# Altium PCB EEar02.PcbDoc (part 1 of 2)
Units mm, origin at the board's own origin, x right, y up, seen from the top; angles counter-clockwise.
Board outline 140 x 100 mm, 2 copper layers (Top Layer, Bottom Layer); 125 components, 89 nets, 570 pads, 1041 vias.
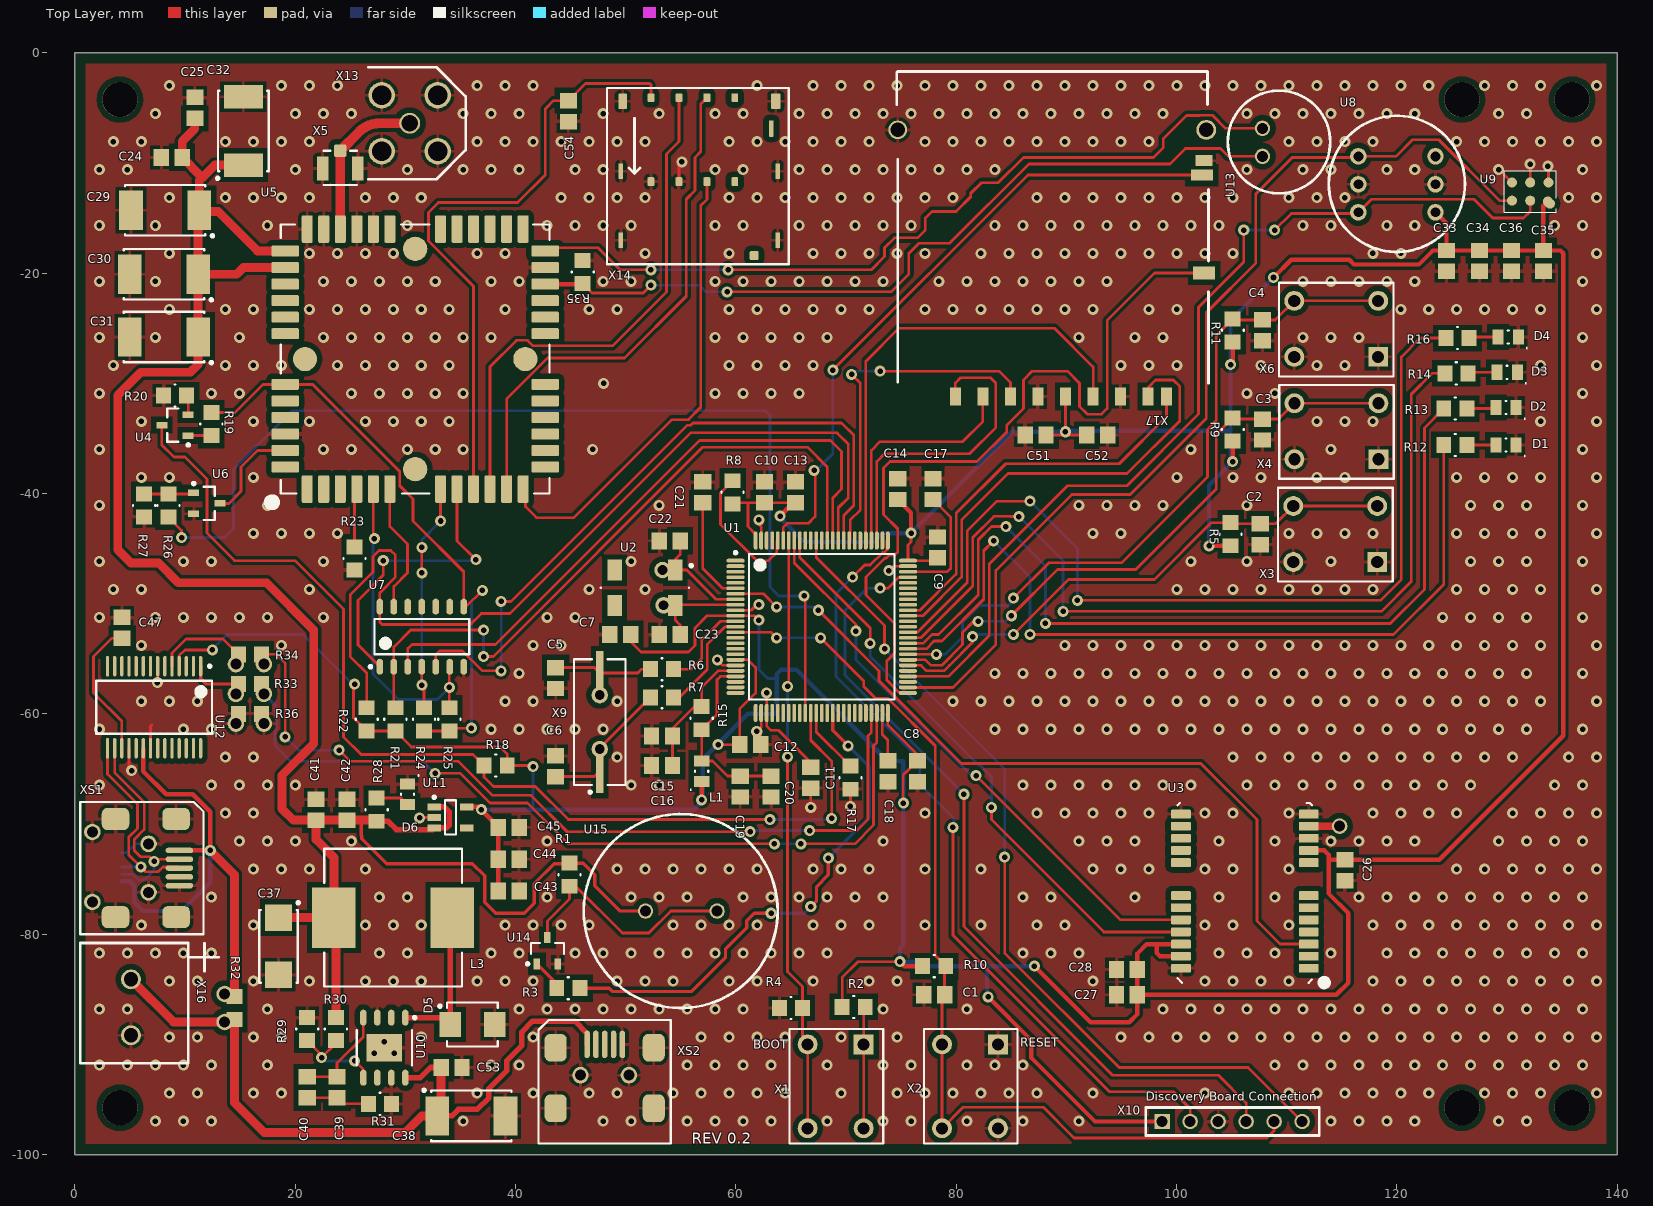
[diagram p0: Top Layer view]
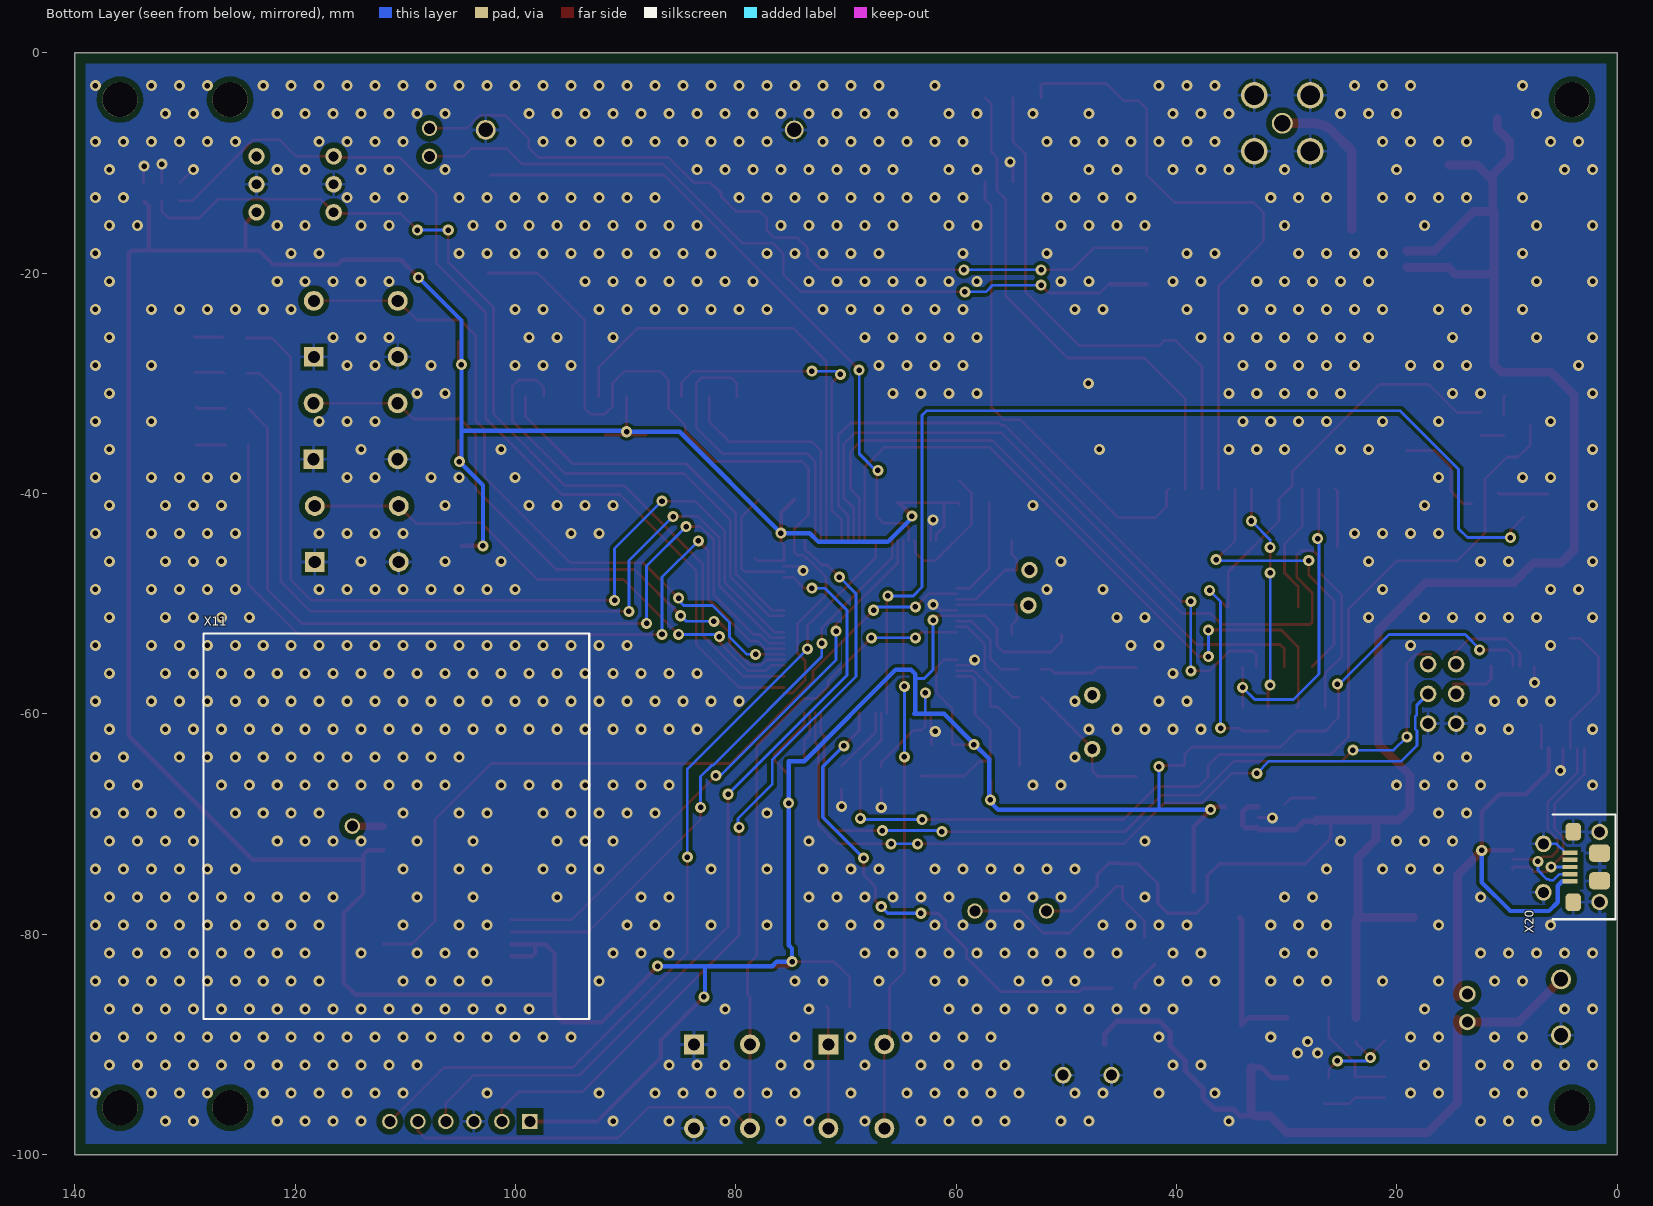
[diagram p1: Bottom Layer view, seen from below]

## Layer stack, top to bottom
Top Solder: solder mask 0.0102, Solder Resist, Dk 3.5
Top Layer: signal copper 0.0356
Dielectric 1: dielectric 0.32, FR-4, Dk 4.8
Bottom Layer: signal copper 0.0356
Bottom Solder: solder mask 0.0102, Solder Resist, Dk 3.5

## Board outline
140,-100 140,0 0,0 0,-100

## Design rules (kind name [scope] priority, off if disabled: settings)
Clearance [All] p1: gap=0.125 except(0.2: Arc-Fill Via-Fill; 0.25: Track-Track; 0.3: Arc-Track Arc-THPad Arc-Poly Track-THPad Track-Via Track-Fill Track-Poly SMDPad-THPad SMDPad-Via SMDPad-Fill THPad-THPad THPad-Via THPad-Fill Via-Via Via-Poly Fill-Fill Fill-Poly Poly-Poly; 0.5: SMDPad-Poly THPad-Poly)
DiffPairsRouting [All] p1: maxlimit=10 minlimit=0.125 mostfreqgap=0.15 toplayer_minwidth=0.381 toplayer_maxwidth=0.381 toplayer_prefwidth=0.381 bottomlayer_minwidth=0.381 bottomlayer_maxwidth=0.381 bottomlayer_prefwidth=0.381 maxuncoupledlength=12.7
FabricationTestPointUsage FabricationTestPointUsage_1 [All] p1: valid=0 allowmultiple=FALSE
FabricationTestpoint FabricationTestpoint_1 [All] p1: side=3 testpointundercomponent=TRUE minsize=1.016 maxsize=2.54 preferedsize=1.524 minholesize=0 maxholesize=1.016 preferedholesize=0.813 testpointgrid=0.025 allowsidetop=TRUE allowsidebottom=TRUE usegrid=TRUE gridtolerance=0
Height [All] p1: minheight=0 maxheight=45 prefheight=12.7
HoleSize [All] p1: absolutevalues=TRUE maxlimit=6 minlimit=0.2 maxpercent=80.000 minpercent=20.000
HoleSize FabricationTestpoint [All] p2 off: absolutevalues=TRUE maxlimit=2.54 minlimit=0.025 maxpercent=80.000 minpercent=20.000
HoleSize FabricationTestPointUsage [All] p3 off: absolutevalues=TRUE maxlimit=2.54 minlimit=0.025 maxpercent=80.000 minpercent=20.000
MinimumAnnularRing [All] p1: minimumring=0.2
MinimumSolderMaskSliver [All] p1: minsoldermaskwidth=0.1
PlaneClearance [All] p1: clearance=0.5
PlaneConnect [All] p1: planeconnectstyle=Relief reliefexpansion=0.4 reliefentries=4 reliefconductorwidth=0.15 reliefairgap=0.15
PolygonConnect PolygonConnect_1 [IsVia] p1: connectstyle=Direct reliefconductorwidth=0.3 reliefentries=4 polygonreliefangle="90 Angle" airgapwidth=0.3
PolygonConnect [All] p2: connectstyle=Relief reliefconductorwidth=0.3 reliefentries=4 polygonreliefangle="90 Angle" airgapwidth=0.3
RoomDefinition sd [InComponentClass('sd')] p1: confinementstyle=ConfineIn formatcopy=TRUE lockcomponents=FALSE outline -140,-163 -89.2,-163 -89.2,-137.6 -140,-137.6
RoomDefinition pwr [InComponentClass('pwr')] p2: confinementstyle=ConfineIn formatcopy=TRUE lockcomponents=FALSE outline -140,-163 -89.2,-163 -89.2,-137.6 -140,-137.6
RoomDefinition mic [InComponentClass('mic')] p3: confinementstyle=ConfineIn formatcopy=TRUE lockcomponents=FALSE outline -140,-163 -89.2,-163 -89.2,-137.6 -140,-137.6
RoomDefinition gsm [InComponentClass('gsm')] p4: confinementstyle=ConfineIn formatcopy=TRUE lockcomponents=FALSE outline -140,-163 -89.2,-163 -89.2,-137.6 -140,-137.6
RoomDefinition gps [InComponentClass('gps')] p5: confinementstyle=ConfineIn formatcopy=TRUE lockcomponents=FALSE outline -140,-163 -89.2,-163 -89.2,-137.6 -140,-137.6
RoomDefinition cpu [InComponentClass('cpu')] p6: confinementstyle=ConfineIn formatcopy=TRUE lockcomponents=FALSE outline -140,-163 -89.2,-163 -89.2,-137.6 -140,-137.6
RoutingCorners [All] p1: cornerstyle=45-Degree minsetback=1.25 maxsetback=1.25
RoutingVias [All] p1: holewidth=0.5 width=1 viastyle="Through Hole" minholewidth=0.5 minwidth=1 maxholewidth=0.5 maxwidth=1
SilkToSilkClearance [All] p1: silktosilkclearance=0
SilkToSolderMaskClearance [IsPad] p1: minsilkscreentomaskgap=0.2 clearancetoexposedcopper=TRUE
SolderMaskExpansion [All] p1: expansion=0.075
Width [All] p1: maxlimit=10 minlimit=0.25 preferedwidth=0.25
19 further rules are at their usual default settings.

## Classes and differential pairs
component class cpu: C1 C2 C3 C4 C5 C6 C7 C8 C9 C10 C11 C12 C13 C14 C15 C16 C17 C18 C19 C20 C21 C22 C23 D1 D2 D3 D4 L1 R1 R2 R3 R4 R5 R6 R7 R8 R9 R10 R11 R12 R13 R14 R15 R16 R17 U1 U2 U14 U15 X1 X2 X3 X4 X6 X9 X10
component class gps: C26 C27 C28 U3 X11
component class gsm: C24 C25 C29 C30 C31 C32 C54 R18 R19 R20 R21 R22 R23 R24 R25 R26 R27 R35 U4 U5 U6 U7 U13 X5 X13 X14
component class mic: C33 C34 C35 C36 U8 U9
component class pwr: C37 C38 C39 C40 C41 C42 C43 C44 C45 C47 C53 D5 D6 L3 R28 R29 R30 R31 R32 R33 R34 R36 U10 U11 U12 X16 X20 XS1 XS2
component class sd: C51 C52 X17
net class SD_DAT[3..0]: SD_DAT0 SD_DAT1 SD_DAT2 SD_DAT3

## Components (designator, comment, footprint, x,y, rotation, side; value= is the part's Value field where it differs from the comment)
C1 "0.1uF" CAPC2012X09M 78,-85.5 r180 top
C2 "0.1uF" CAPC2012X09M 107.6,-43.7 r270 top
C3 "0.1uF" CAPC2012X09M 107.8,-34.2 r270 top
C4 "0.1uF" CAPC2012X09M 107.8,-25.2 r270 top
C5 "18pF" CAPC2012X09M 43.65,-56.75 r270 top
C6 "18pF" CAPC2012X09M 43.65,-64.75 r90 top
C7 "0.1uF" CAPC2012X09M 49.5,-52.8 r180 top
C8 "0.1uF" CAPC2012X09M 76.5,-65.2 r270 top
C9 "0.1uF" CAPC2012X09M 78.3,-44.9 r90 top
C10 "0.1uF" CAPC2012X09M 62.6,-39.9 r90 top
C11 "0.1uF" CAPC2012X09M 66.8,-65.8 r270 top
C12 "0.1uF" CAPC2012X09M 61.3,-62.8 r0 top
C13 "0.1uF" CAPC2012X09M 65.4,-39.9 r90 top
C14 "0.1uF" CAPC2012X09M 74.7,-39.6 r90 top
C15 "1uF" CAPC2012X09M 53.3,-64.7 r180 top
C16 "0.1uF" CAPC2012X09M 53.3,-62 r180 top
C17 "2.2uF" CAPC2012X09M 77.9,-39.6 r90 top
C18 "2.2uF" CAPC2012X09M 73.8,-65.2 r270 top
C19 "1uF" CAPC2012X09M 60.4,-66.6 r90 top
C20 "0.1uF" CAPC2012X09M 63.2,-66.6 r90 top
C21 "1uF" CAPC2012X09M 57,-39.9 r90 top
C22 "6.8PF" CAPC2012X09M 54,-44.3 r180 top
C23 "6.8PF" CAPC2012X09M 54,-52.8 r180 top
C24 "0.1uF" CAPC2012X09M 8.8,-9.5 r180 top
C25 "0.1uF" CAPC2012X09M 10.9,-5 r90 top
C26 "0.1uF" CAPC2012X09M 115.3,-74.2 r270 top
C27 "0.1uF" CAPC2012X09M 95.5,-85.5 r180 top
C28 "10uF" CAPC2012X09M 95.5,-83.2 r180 top
C29 "330UF 6.3V" CAPMP7143X31N 8.2,-14.3 r180 top
C30 "330UF 6.3V" CAPMP7143X31N 8.1,-20.1 r180 top
C31 "330UF 6.3V" CAPMP7143X31N 8.1,-25.8 r180 top
C32 "330UF 6.3V" CAPMP7143X31N 15.3,-7.1 r90 top
C33 "0.1uF" CAPC2012X09M 124.5,-18.9 r270 top
C34 "0.1uF" CAPC2012X09M 127.5,-18.9 r270 top
C35 "10uF" CAPC2012X09M 133.3,-18.9 r270 top
C36 "10uF" CAPC2012X09M 130.4,-18.9 r270 top
C37 "100UF 6.3V" CAPMP6133X31N 18.5,-81.1 r270 top
C38 "22uF" CAPMP7143X31N 36,-96.5 r0 top
C39 "22nF" CAPC2012X09M 23.8,-93.9 r270 top
C40 "220pF" CAPC2012X09M 21.1,-93.9 r270 top
C41 "10uF" CAPC2012X09M 21.9,-68.7 r90 top
C42 "10uF" CAPC2012X09M 24.7,-68.7 r90 top
C43 "10uF" CAPC2012X09M 39.4,-76.1 r0 top
C44 "0.1uF" CAPC2012X09M 39.4,-73.2 r0 top
C45 "1uF" CAPC2012X09M 39.4,-70.3 r0 top
C47 "1uF" CAPC2012X09M 4.3,-52.2 r90 top
C51 "0.1uF" CAPC2012X09M 87.2,-34.7 r180 top
C52 "0.1uF" CAPC2012X09M 92.8,-34.7 r0 top
C53 "0.1uF" CAPC2012X09M 34.2,-92.1 r0 top
C54 "0.1uF" CAPC2012X09M 44.8,-5.3 r270 top
D1 "GREEN" DIOC2012X11N 129.9,-35.6 r180 top
D2 "YELLOW" DIOC2012X11N 129.9,-32.2 r180 top
D3 "BLUE" DIOC2012X11N 130,-29 r180 top
D4 "RED" DIOC2012X11N 130.1,-25.8 r180 top
D5 "STPS340U" SODFL535X265-2N 36.1,-88.2 r0 top
D6 "GREEN" DIOC2012X11N 30.2,-67.3 r270 top
L1 "BLM21RK102SN1D" DIOC2012X11N 56.9,-65.2 r90 top
L3 "CDRH125NP-150MC" INDP123123X40N_SUMIDA 28.9,-78.5 r180 top
R1 "1K" RESC2013X06M 44.9,-74.6 r90 top
R2 "510R" RESC2013X06M 70.7,-86.6 r0 top
R3 "1K" RESC2013X06M 44.8,-84.9 r180 top
R4 "4.7K" RESC2013X06M 65,-86.7 r0 top
R5 "1K" RESC2013X06M 104.9,-43.7 r90 top
R6 "0" RESC2013X06M 53.3,-55.95 r180 top
R7 "33R" RESC2013X06M 53.3,-58.5 r180 top
R8 "4.7K" RESC2013X06M 59.7,-39.9 r270 top
R9 "1K" RESC2013X06M 105.1,-34.2 r90 top
R10 "10K" RESC2013X06M 78,-82.9 r0 top
R11 "1K" RESC2013X06M 105.1,-25.2 r90 top
R12 "1K" RESC2013X06M 125.3,-35.6 r0 top
R13 "1K" RESC2013X06M 125.3,-32.3 r0 top
R14 "1K" RESC2013X06M 125.4,-29.1 r0 top
R15 "10R" RESC2013X06M 56.9,-60.4 r90 top
R16 "1K" RESC2013X06M 125.5,-25.9 r0 top
R17 "510R" RESC2013X06M 70.4,-65.8 r90 top
R18 "1K" RESC2013X06M 38.2,-64.7 r0 top
R19 "1K" RESC2013X06M 12.4,-33.7 r90 top
R20 "1K" RESC2013X06M 9.1,-31.1 r0 top
R21 "1K" RESC2013X06M 29.1,-60.5 r270 top
R22 "1K" RESC2013X06M 26.5,-60.5 r270 top
R23 "1K" RESC2013X06M 25.4,-45.9 r270 top
R24 "1K" RESC2013X06M 31.7,-60.5 r270 top
R25 "1K" RESC2013X06M 34,-60.5 r270 top
R26 "1K" RESC2013X06M 8.5,-41.1 r90 top
R27 "1K" RESC2013X06M 6.3,-41.1 r90 top
R28 "1K" RESC2013X06M 27.4,-68.7 r270 top
R29 "18K" RESC2013X06M 21.1,-88.6 r90 top
R30 "47K" RESC2013X06M 23.7,-88.6 r270 top
R31 "4.7K" RESC2013X06M 27.7,-95.4 r0 top
R32 "JUMPER" RESC2013X06M_CMEASURE 14.5,-86.7 r270 top
R33 "JUMPER" RESC2013X06M_CMEASURE 15.9,-57.3 r0 top
R34 "JUMPER" RESC2013X06M_CMEASURE 15.9,-54.6 r0 top
R35 "1K" RESC2013X06M 46.1,-19.9 r270 top
R36 "JUMPER" RESC2013X06M_CMEASURE 15.9,-60 r0 top
U1 "STM32F407VGT6" TSQFP50P1600X1600X160-100M 67.8,-52.1 r0 top
U2 "32.768KHZ" SOJ550P380X254-4M 51.75,-48.55 r270 top
U3 "SL869V2" SL869V2_FOOT 106.2,-76.1 r180 top
U4 "BC817" SOT95P237X111-3N_SOT-23 9.1,-33.8 r180 top
U5 "GL865-DUAL" GL865_FOOT 30.9,-27.8 r90 top
U6 "BC817" SOT95P237X111-3N_SOT-23 12,-40.9 r0 top
U7 "74LVC07A" TSOP127P600X145-14N 31.5,-53 r90 top
U8 "STEVAL-MKI129V1" STEVAL-MKI129V1 116.5,-9.4 r0 top
U9 "MP45DT02" LGA6C165P2X3_376X472X125 132.1,-12.6 r270 top
U10 "L5973D013TR" SOIC127P600X175_HS-9N 28.1,-90.3 r270 top locked
U11 "TLV70233DBVT" SOT95P280X145-5M 34.1,-69.4 r0 top
U12 "CY7C65213" SOP65P780X200-28M 7.2,-59.4 r270 top
U13 "cmb-6544pf" cmb-6544pf 107.8,-9.4 r90 top
U14 "BC817" SOT95P237X111-3N_SOT-23 42.9,-81.5 r90 top
U15 "Buzzer" pb1224pe 51.8,-77.9 r0 top
X1 "PUSH BTN" PUSHBTN 71.6,-90 r180 top
X2 "PUSH BTN" PUSHBTN 83.8,-90 r180 top
X3 "PUSH BTN" PUSHBTN 118.217,-46.218 r90 top
X4 "PUSH BTN" PUSHBTN 118.317,-36.893 r90 top
X5 "U.FL" U.FL 24.1,-9.5 r180 top
X6 "PUSH BTN" PUSHBTN 118.3,-27.6 r90 top
X9 "25.000Mhz" SODFL1270X420-2L 47.65,-60.75 r90 top
X10 "PLS6" PLS6 98.7,-97 r0 top
X11 "PATCH_ANTENNA" PATCH_ANTENNA 114.8,-70.2 r90 bottom
X13 "SMA6252A2-3GT50G-50" SMA6252A2-3GT50G-50 30.4,-6.4 r180 top
X14 "115I-AEAA" 115I-AEAA 52.3,-11.7 r90 top
X16 "POWER_TERM" PH5 5.1,-84.1 r270 top
X17 "104H-TDA0-R01" 104H-TDA0-R01 89.3,-31.2 r180 top
X20 "10118193-0001LF" USB_MICRO_10118193 1.6,-73.9 r90 bottom
XS1 "16M2764" USB_MINI_16M2764 9.2,-74 r270 top
XS2 "16M2764" USB_MINI_16M2764 48.1,-90.3 r0 top

## Footprints (in the part's own frame and the unit in brackets; to place one, negate y for a bottom-side part, rotate by r counter-clockwise, add the part's x,y. Pads: shape width x height; smd on the part's side, far side on the other; paste and mask are expansions set on the pad)
104H-TDA0-R01 [mm] "SD card connector"
  rect 1x1.6 smd: 1(6.88,0) 2(4.38,0) 3(1.88,0) 4(-0.63,0) 5(-3.13,0) 6(-5.63,0) 7(-8.13,0) 8(-9.78,0) 9(9.38,0)
  rect 2x1.2 smd: 10(-13.2,-11.2)
  rect 2x1 smd: 11(-13,-20.1)
  rect 1.55x1 smd: 12(-13.2,-21.4)
  round 1.8 hole 1.3: 13(-13.4,-24.2)
  round 1.7 hole 1.3: 14(14.6,-24.2)
  silkscreen extent -13.6,-29.5 14.7,-1.2, body extent -13.48,-29.5 14.68,0.31, height 2.7
115I-AEAA [mm] "SIM card holder"
  rrect25% 0.8x0.6 smd: C1(7.62,0) C2(7.62,-2.54) C3(7.62,-5.08) C4(7.62,-7.62) C5(0,0) C6(0,-2.54) C7(0,-5.08) C8(0,-7.62)
  rrect25% 0.8x0.8 smd: D0(-6.71,-9.36)
  rrect25% 1.5x0.4 smd: D1(4.82,-10.92)
  rrect25% 1.4x0.8 smd: GND1(7.29,2.57)
  rrect25% 1.4x0.42 smd: GND2(0.94,2.73) GND3(-5.32,2.73) GND4(-5.32,-11.5) GND5(0.94,-11.5)
  rrect25% 1.4x0.87 smd: GND6(7.29,-11.33)
  silkscreen extent -7.5,-12.5 8.5,4, body extent -7.32,-11.64 7.9,2.84, height 1.2
CAPC2012X09M [mm] "Chip Capacitor, 2-Leads, Body 2,01x1,25mm, IPC Low Density"
  rect 1.4x1.55 smd: 1(-0.95,0) 2(0.95,0)
  body extent -1.1,-0.72 1.11,0.72, height 0.94
CAPMP6133X31N [mm] "CASE C Molded Capacitor, 2-Leads, Body 6.15x3.30mm, IPC Medium Density"
  rect 2.4x2.45 smd: 1(-2.6,0) 2(2.6,0)
  silkscreen extent -4.07,-1.75 3.3,1.9, body extent -3.3,-1.75 3.3,1.75, height 3.1
CAPMP7143X31N [mm] "CASE D Molded Capacitor, 2-Leads, Body 7.15x4.30mm, IPC Medium Density"
  rect 2.15x3.55 smd: 1(-3.1,0) 2(3.1,0)
  silkscreen extent -4.43,-2.3 3.65,2.45, body extent -3.65,-2.3 3.65,2.3, height 3.1
cmb-6544pf [mm]
  round 1.4 hole 1: 1(0,0) 2(2.54,0)
  silkscreen extent -3.35,-6.15 5.95,3.15, body extent -3.4,-6.2 6,3.2, height 7
DIOC2012X11N [mm] "Chip Diode, 2-Leads, Body 2.00x1.25mm, IPC Medium Density"
  rect 1x1.4 smd: 1(-0.925,0) 2(0.925,0)
  silkscreen extent -1.75,-0.6 0.05,1.05, body extent -1,-0.63 1,0.63, height 1.1
GL865_FOOT [mm]
  rrect25% 2.5x1 smd: 1(-11.8,9.8) 2(-11.8,8.3) 3(-11.8,6.8) 4(-11.8,5.3) 5(-11.8,3.8) 6(-11.8,2.3) 7(-11.8,-2.3) 8(-11.8,-3.8) 9(-11.8,-5.3) 10(-11.8,-6.8) 11(-11.8,-8.3) 12(-11.8,-9.8) 25(11.8,-9.8) 26(11.8,-8.3) 27(11.8,-6.8) 27(11.8,-5.3) 29(11.8,-3.8) 30(11.8,-2.3) 31(11.8,2.3) 32(11.8,3.8) 33(11.8,5.3) 34(11.8,6.8) 35(11.8,8.3) 36(11.8,9.8)
  rrect25% 1x2.5 smd: 13(-9.8,-11.8) 14(-8.3,-11.8) 15(-6.8,-11.8) 16(-5.3,-11.8) 17(-3.8,-11.8) 18(-2.3,-11.8) 19(2.3,-11.8) 20(3.8,-11.8) 21(5.3,-11.8) 22(6.8,-11.8) 23(8.3,-11.8) 24(9.8,-11.8) 37(9.8,11.8) 38(8.3,11.8) 39(6.8,11.8) 40(5.3,11.8) 41(3.8,11.8) 42(2.3,11.8) 43(-2.3,11.8) 44(-3.8,11.8) 45(-5.3,11.8) 46(-6.8,11.8) 47(-8.3,11.8) 48(-9.8,11.8)
  round 2.2 smd: 49(0,10) 50(10,0) 51(-10,0) 52(0,-10)
  silkscreen extent -13.22,-12.2 12.2,13.22, body extent -12.2,-12.2 12.2,12.2, height 2.9
INDP123123X40N_SUMIDA [mm] "Precision Wire Wound Inductor, 2-Leads, Body 12.35x12.35mm, IPC Medium Density"
  rect 3.95x5.5 smd: 1(-5.375,0) 2(5.375,0)
  silkscreen extent -6.25,-6.25 6.25,6.25, body extent -6.25,-6.25 6.25,6.25, height 4
LGA6C165P2X3_376X472X125 [mm] "LGA, 6-Leads, Body 3,76x4,72mmx1,25mm, Pitch 1,65mm"
  round 0.91 smd: 1(-0.825,1.65) 2(-0.825,0) 3(-0.825,-1.65) 4(0.825,-1.65) 5(0.825,0) 6(0.9,1.6) 6(1.1,1.8)
  silkscreen extent -1.88,-2.37 1.88,2.37, body extent -1.91,-2.38 1.91,2.38, height 1.25
PATCH_ANTENNA [mm] "1 pin"
  round 1.4 hole 1: 1(0,0)
  silkscreen extent -17.5,-21.5 17.5,13.5, body extent -12.5,-15 12.5,10, height 4.7
pb1224pe [mm]
  round 1.4 hole 1: 1(0,0) 2(6.5,0)
  silkscreen extent -5.6,-8.8 12,8.8
PH5 [mm] "Phoenix Contact 5.08mm"
  round 1.8 hole 1.3: 1(0,0) 2(5.08,0)
  silkscreen extent -3.3,-4.6 7.62,7.96, body extent -3.25,-4.6 7.65,5.2, height 14.2
PLS6 [mm] "2.54 mm Jumper Header"
  rect 1.4x1.4 hole 1: 1(0,0)
  round 1.4 hole 1: 2(2.54,0) 3(5.08,0) 4(7.62,0) 5(10.16,0) 6(12.7,0)
  silkscreen extent -1.5,-1.27 14.25,1.27
PUSHBTN [mm]
  rect 1.8x1.8 hole 1.1: 1(0,0)
  round 1.8 hole 1.1: 2(5.08,0) 3(0,7.62) 4(5.08,7.62)
  silkscreen extent -1.78,-1.4 6.73,9
RESC2013X06M [mm] "Chip Resistor, 2-Leads, Body 2,03x1,27mm, IPC Low Density"
  rect 1.35x1.45 smd: 1(-1.05,0) 2(1.05,0)
  silkscreen extent -0.05,-1 0.05,1, body extent -1.14,-0.64 1.14,0.64, height 0.59
RESC2013X06M_CMEASURE [mm] "Chip Resistor, 2-Leads, Body 2,03x1,27mm, IPC Low Density"
  round 1.5 hole 1: 1(-1.27,-0.889) 2(1.27,-0.889)
  rect 1.35x1.45 smd: 1(-1.05,0) 2(1.05,0)
  body extent -1.14,-0.64 1.14,0.64, height 0.59
SL869V2_FOOT [mm]
  rrect25% 1.8x0.8 smd: 1(-5.8,7) 2(-5.8,5.9) 3(-5.8,4.8) 4(-5.8,3.7) 5(-5.8,2.6) 6(-5.8,1.5) 7(-5.8,0.4) 8(-5.8,-2.6) 9(-5.8,-3.7) 10(-5.8,-4.8) 11(-5.8,-5.9) 12(-5.8,-7) 13(5.8,-7) 14(5.8,-5.9) 15(5.8,-4.8) 16(5.8,-3.7) 17(5.8,-2.6) 18(5.8,0.4) 19(5.8,1.5) 20(5.8,2.6) 21(5.8,3.7) 22(5.8,4.8) 23(5.8,5.9) 24(5.8,7)
  silkscreen extent -7.3,-8 6.1,8.4, body extent -6.1,-8 6.1,8
SMA6252A2-3GT50G-50 [mm] "SMA6252A2-3GT50G-50"
  round 2.4 hole 1.8: 1(-2.54,2.54) 2(-2.54,-2.54) 3(2.54,-2.54) 4(2.54,2.54)
  round 1.9 hole 1.5: 5(0,0)
  silkscreen extent -5.08,-5.08 3.75,5.08, body extent -3.5,-6.25 34.4,78.31, height 32.95
SODFL535X265-2N [mm] "SODFL, 2-Leads, Body 3.63x5.35mm, IPC Medium Density"
  rect 1.95x2.25 smd: 1(-2.025,0) 2(2.025,0)
  silkscreen extent -3.07,-2 2.3,2, body extent -2.3,-1.97 2.3,1.97, height 2.65
SODFL1270X420-2L [mm] "SODFL, 2-Leads, Body 4,70x12,70mm, IPC High Density"
  rect 4x0.65 smd: 1(-4.45,0) 2(4.45,0)
  round 1.5 hole 0.9: 1(-2.45,0) 2(2.45,0)
  silkscreen extent -6.47,-2.35 5.7,2.35, body extent -6.35,-2.35 6.35,2.35, height 4.2
SOIC127P600X175_HS-9N [mm] "SOIC, 8-Leads, Body 4.90x3.90mm, Pitch 1.27mm, Thermal Pad 3.20x2.51mm, IPC Medium Density"
  oval 1.45x0.6 smd: 1(-2.725,1.905) 2(-2.725,0.635) 3(-2.725,-0.635) 4(-2.725,-1.905) 5(2.725,-1.905) 6(2.725,-0.635) 7(2.725,0.635) 8(2.725,1.905)
  rect 2.51x3.2 smd: 9(0,0)
  silkscreen extent -2.85,-2.5 1.6,2.88, body extent -2,-2.5 2,2.5, height 1.75
SOJ550P380X254-4M [mm] "SOJ, 4-Leads, Body 8,00x3,80mm, Pitch 5,50mm, IPC Low Density"
  rect 1.9x1.3 smd: 1(-1.6,2.75) 2(-1.6,-2.75) 3(1.6,-2.75) 4(1.6,2.75)
  round 1.5 hole 0.9: 1(-1.6,1.6) 4(1.6,1.7)
  silkscreen extent -2.12,-4 0.03,4.33, body extent -2.1,-4 2.1,4, height 2.54
SOP65P780X200-28M [mm] "SOP, 28-Leads, Body 10,30x5,30mm, Pitch 0,65mm, IPC Low Density"
  oval 1.85x0.3 smd: 1(-3.725,4.225) 2(-3.725,3.575) 3(-3.725,2.925) 4(-3.725,2.275) 5(-3.725,1.625) 6(-3.725,0.975) 7(-3.725,0.325) 8(-3.725,-0.325) 9(-3.725,-0.975) 10(-3.725,-1.625) 11(-3.725,-2.275) 12(-3.725,-2.925) 13(-3.725,-3.575) 14(-3.725,-4.225) 15(3.725,-4.225) 16(3.725,-3.575) 17(3.725,-2.925) 18(3.725,-2.275) 19(3.725,-1.625) 20(3.725,-0.975) 21(3.725,-0.325) 22(3.725,0.325) 23(3.725,0.975) 24(3.725,1.625) 25(3.725,2.275) 26(3.725,2.925) 27(3.725,3.575) 28(3.725,4.225)
  silkscreen extent -3.85,-5.25 2.4,5.25, body extent -3.9,-5.25 3.9,5.25, height 2
SOT95P237X111-3N_SOT-23 [mm] "SOT23, 3-Leads, Body 2.92x2.37mm, Pitch 0.95mm, IPC Medium Density"
  rect 1x0.6 smd: 1(-1.2,0.95) 2(-1.2,-0.95) 3(1.2,0)
  silkscreen extent -1.33,-1.5 0.7,1.92, body extent -0.7,-1.52 0.7,1.52, height 1.11
SOT95P280X145-5M [mm] "SOT23, 5-Leads, Body 2,90x2,80mm, Pitch 0,95mm, IPC Low Density"
  rect 1.2x0.65 smd: 1(-1.475,0.95) 2(-1.475,0) 3(-1.475,-0.95) 4(1.475,-0.95) 5(1.475,0.95)
  silkscreen extent -1.6,-1.55 0.5,1.95, body extent -0.88,-1.52 0.87,1.53, height 1.45
STEVAL-MKI129V1 [mm] "Microphone Board"
  round 1.5 hole 0.9: 1(0,-5.08) 2(0,-2.54) 3(0,0) 4(7,0) 5(7,-2.54) 6(7,-5.08)
  silkscreen extent -2.68,-8.67 9.68,3.67
TSOP127P600X145-14N [mm] "TSOP, 14-Leads, Body 8,65x3,90mm, Pitch 1,27mm, IPC Medium Density"
  oval 1.45x0.6 smd: 1(-2.725,3.81) 2(-2.725,2.54) 3(-2.725,1.27) 4(-2.725,0) 5(-2.725,-1.27) 6(-2.725,-2.54) 7(-2.725,-3.81) 8(2.725,-3.81) 9(2.725,-2.54) 10(2.725,-1.27) 11(2.725,0) 12(2.725,1.27) 13(2.725,2.54) 14(2.725,3.81)
  silkscreen extent -2.85,-4.3 1.6,4.78, body extent -3,-4.3 3,4.3, height 1.45
TSQFP50P1600X1600X160-100M [mm] "TSQFP, 100-Leads, Body 14.00x14.00mm, Pitch 0.50mm, IPC Low Density"
  oval 1.65x0.35 smd: 1(-7.825,6) 2(-7.825,5.5) 3(-7.825,5) 4(-7.825,4.5) 5(-7.825,4) 6(-7.825,3.5) 7(-7.825,3) 8(-7.825,2.5) 9(-7.825,2) 10(-7.825,1.5) 11(-7.825,1) 12(-7.825,0.5) 13(-7.825,0) 14(-7.825,-0.5) 15(-7.825,-1) 16(-7.825,-1.5) 17(-7.825,-2) 18(-7.825,-2.5) 19(-7.825,-3) 20(-7.825,-3.5) 21(-7.825,-4) 22(-7.825,-4.5) 23(-7.825,-5) 24(-7.825,-5.5) 25(-7.825,-6) 51(7.825,-6) 52(7.825,-5.5) 53(7.825,-5) 54(7.825,-4.5) 55(7.825,-4) 56(7.825,-3.5) 57(7.825,-3) 58(7.825,-2.5) 59(7.825,-2) 60(7.825,-1.5) 61(7.825,-1) 62(7.825,-0.5) 63(7.825,0) 64(7.825,0.5) 65(7.825,1) 66(7.825,1.5) 67(7.825,2) 68(7.825,2.5) 69(7.825,3) 70(7.825,3.5) 71(7.825,4) 72(7.825,4.5) 73(7.825,5) 74(7.825,5.5) 75(7.825,6)
  oval 0.35x1.65 smd: 26(-6,-7.825) 27(-5.5,-7.825) 28(-5,-7.825) 29(-4.5,-7.825) 30(-4,-7.825) 31(-3.5,-7.825) 32(-3,-7.825) 33(-2.5,-7.825) 34(-2,-7.825) 35(-1.5,-7.825) 36(-1,-7.825) 37(-0.5,-7.825) 38(0,-7.825) 39(0.5,-7.825) 40(1,-7.825) 41(1.5,-7.825) 42(2,-7.825) 43(2.5,-7.825) 44(3,-7.825) 45(3.5,-7.825) 46(4,-7.825) 47(4.5,-7.825) 48(5,-7.825) 49(5.5,-7.825) 50(6,-7.825) 76(6,7.825) 77(5.5,7.825) 78(5,7.825) 79(4.5,7.825) 80(4,7.825) 81(3.5,7.825) 82(3,7.825) 83(2.5,7.825) 84(2,7.825) 85(1.5,7.825) 86(1,7.825) 87(0.5,7.825) 88(0,7.825) 89(-0.5,7.825) 90(-1,7.825) 91(-1.5,7.825) 92(-2,7.825) 93(-2.5,7.825) 94(-3,7.825) 95(-3.5,7.825) 96(-4,7.825) 97(-4.5,7.825) 98(-5,7.825) 99(-5.5,7.825) 100(-6,7.825)
  silkscreen extent -7.95,-6.6 6.6,6.85, body extent -7,-7 7,7, height 1.6
U.FL [mm] "U.FL connector"
  rrect20% 1.1x1.1 smd: 1(0,-0.6)
  rrect10% 1.05x2.2 smd: 2(-1.6,1) 3(1.6,1)
  silkscreen extent -1.5,-0.6 1.5,2.5, body extent -1.5,-0.55 1.5,2.55, height 1.25
USB_MICRO_10118193 [mm]
  rect 0.4x1.35 smd mask+0.125: 1(-1.3,2.675) 2(-0.65,2.675) 3(0,2.675) 4(0.65,2.675) 5(1.3,2.675)
  rrect50% 1.6x1.4 smd: 6(-3.2,2.4) 7(3.2,2.4)
  rrect50% 1.6x1.9 smd: 8(-1.25,0) 9(1.25,0)
  round 1.5 hole 1: 10(-3.175,0) 11(3.175,0)
  silkscreen extent -4.75,-1.45 4.75,4.25
USB_MINI_16M2764 [mm] "USB-06_1800"
  oval 0.5x2.5 smd: 1(-1.6,0.3) 2(-0.8,0.3) 3(0,0.3) 4(0.8,0.3) 5(1.6,0.3)
  rrect50% 2x2.5 smd: 6(-4.45,0) 7(4.45,0) 8(-4.45,-5.5) 9(4.45,-5.5)
  round 1.5 hole 1: 10(-2.2,-2.5) 11(2.2,-2.5)
  silkscreen extent -6,-8.7 6,2.5, body extent -4.95,-8.4 4.95,0.8, height 4.14

## Part data
C1 C2 C3 C4 C7 C8 C9 C10 C11 C12 C13 C14 C16 C20 C24 C25 C26 C27 C33 C34 C44 C51 C52 C53 C54: library part CAP_SMD_0.1UF_10%, "CAP CER 0.1UF 25V 10% X7R 0805"
C5 C6: library part CAP_SMD_18PF_5%, "CAP CER 27PF 200V 5% NP0 0805"
C15 C19 C21 C45 C47: library part CAP_SMD_1uF_10%, "MLCC; 1uF; 25V; X7R; ±10%; SMD; 0805;"
C17 C18: library part CAP_SMD_2.2uF_10%, "CAP CER 2.2UF 16V 10% X5R 0805"
C22 C23: library part CAP_SMD_6.8PF_5%, "CAP MLCC 6.8PF 50V 5% NP0 0805"
C28 C35 C36 C41 C42 C43: library part CAP_SMD_10UF_20%, "CAP CER 10UF 16V 20% X5R 0805"
C29 C30 C31 C32: library part CAP_SMD_330UF_10%, "CAP 330uF; 6.3V; Case: D"
C37: library part CAP_SMD_100UF_10%, "CAP 100uF; 6.3V; Case: C; ESR:150mOhm"
C38: library part CAP_SMD_22UF_10%, "CAP SMD 35volts 22uF 10% ESR=300mOhms"
C39: library part CAP_SMD_22nF_10%, "CAP 22NF 50V 10% X7R 0805"
C40: library part CAP_SMD_220pF_10%, "CAP 220PF 50V 10%  0805"
D1 D6: library part LED_GREEN
D2: library part LED_YELLOW
D3: library part LED_BLUE
D4: library part LED_RED
D5: "DIODE, ZENER, 20V, 3W"
L3: library part IND_15uH_3.3A
R1 R3 R5 R9 R11 R12 R13 R14 R16 R18 R19 R20 R21 R22 R23 R24 R25 R26 R27 R28 R35: library part RES_SMD_1K_5%, "RES - 1K OHM, 5%, 1/8W, 0805 SMD"
R2 R17: library part RES_SMD_510_5%, "RES - 510 OHM, 5%, 1/8W, 0805 SMD"
R4 R8 R31: library part RES_SMD_4.7K_1%, "RES 4.7K OHM 1/8W 1% 0805 SMD"
R6: library part RES_SMD_0, "RES 0.0 OHM 1/8W JUMP 0805 SMD"
R7: library part RES_SMD_33R_5%, "RES - 33 OHM, 5%, 1/8W, 0805 SMD"
R10: library part RES_SMD_10K_5%, "RES 10K OHM 1/8W 5% 0805 SMD"
R15: library part RES_SMD_10R_5%, "RES 10 OHM 1/8W 1% 0805 SMD"
R29: library part RES_SMD_18K_1%, "RES 18K OHM 1/8W 1% 0805 SMD"
R30: library part RES_SMD_47K_1%, "RES 47K OHM 1/8W 1% 0805"
R32 R33 R34 R36: library part RES_SMD_0_CURRENT, "RES 0.0 OHM 1/8W JUMP 0805 SMD"
U2: library part MC-306
U10: "IC REG BUCK ADJ 2.5A SOIC8"
U15: library part pb-1224pe-05q
X1 X2 X3 X4 X6: library part SW1
X9: library part OSC25M
X13: library part SMA_CONN
X14: library part SIM_CARD_115I-AEAA
X20: library part USB_MICRO
XS1 XS2: library part USB_MINI_16M2764

## Free pads (board coordinates)
  round 3.2 hole 3.2: 1(4.1,-95.75) 1(4.1,-4.25) 1(125.9,-95.75) 1(125.9,-4.25) 1(135.9,-95.75) 1(135.9,-4.25)

## Via types
v1: diameter 1, hole 0.5, Top Layer to Bottom Layer, 930 vias
v2: diameter 1, hole 0.5, Top Layer to Bottom Layer, tented both sides, 111 vias

## Nets (pads, with @x,y where several pads share a name; then routed paths per layer and width w, separated by ;. In a path a pad name is that pad's centre, name@x,y a point inside that pad or via, vN(x,y) a via of type N, cw(c..) or ccw(c..) an arc to the next point about the centre after c; other vN are vias at no path point)
2V8: R19.2 R24.2 R25.2 U5.43 U7.8 | length 55.7
  Top Layer w0.25: R19.2@12.4,-32.65 14.55,-32.65 17.1,-30.1 U5.43@19.1,-30.1 21.6,-30.1 29.5,-38 29.5,-39.3 30.7,-40.5 30.7,-42.5 35.31,-47.11 U7.8@35.31,-50.275 35.525,-50.275 v2(37,-48.8) ; R24.2@31.7,-61.55 R25.2@34,-61.55 34.25,-61.3 v2(36,-61.3)
  Bottom Layer w0.25: v2(36,-61.3) 36,-49.8 v2(37,-48.8)
3V3_CPU: C7.1 C8.1 C9.1 C10.1 C11.1 C12.1 C13.1 C14.1 C26.1 C27.1 C28.1 C33.1 C34.1 C35.1 C36.1 C43.1 C44.1 C45.1 C51.1 C52.1 L1.1 R2.1 R5.1 R8.2 R9.1 R10.1 R11.1 R18.2 R21.2 R22.2 U1.11 U1.19 U1.28 U1.50 U1.75 U1.100 U3.9 U3.22 U3.23 U8.6 U9.6 U11.5 U12.4 X10.1 X17.4 | length 498.2
  Top Layer w0.25: U12.4@9.475,-55.675 9.475,-54.725 10,-54.2 v2(12.5,-54.2) ; v2(25.4,-57.3) 25.3,-57.4 25.3,-60.35 R22.2@26.5,-61.55 R21.2@29.1,-61.55 30.55,-63 38.6,-63 39.25,-63.65 R18.2@39.25,-64.7 41.5,-64.7 v2(41.6,-64.8) ; C7.1@50.45,-52.8 50.45,-53.45 51.4,-54.4 55.7,-54.4 56.3,-53.8 56.3,-52.2 57.4,-51.1 U1.11@59.975,-51.1 61.7,-51.1 v2(62.1,-51.5) ; v2(58.4,-62.8) C12.1@60.35,-62.8 60.35,-59.55 61.8,-58.1 61.8,-55.8 61.1,-55.1 U1.19@59.975,-55.1 ; R8.2@59.7,-40.95 59.8,-40.85 61.1,-40.85 ; U1.100@61.8,-44.275 61.8,-43.7 61.1,-43 61.1,-40.85 ; v2(62.8,-58.1) U1.28@62.8,-59.925 62.8,-61.1 63.2,-61.5 63.9,-61.5 66.8,-64.4 C11.1@66.8,-64.85 ; C13.1@65.4,-40.85 65.2,-40.85 C10.1@62.6,-40.85 61.1,-40.85 ; R2.1@69.65,-86.6 69.65,-83.95 71.1,-82.5 v2(74.9,-82.5) ; U1.50@73.8,-59.925 73.8,-61 76.5,-63.7 C8.1@76.5,-64.25 75.2,-65.55 v2(75.2,-68.1) ; v2(75.9,-43.6) 75.9,-44.4 75.625,-44.675 U1.75@75.625,-46.1 78.05,-46.1 C9.1@78.3,-45.85 ; C51.1@88.15,-34.7 v2@89.9,-34.7 ; v2@89.93,-34.7 C52.1@91.85,-34.7 ; v2@89.93,-34.4 X17.4@89.93,-31.2
  Top Layer w0.4: U11.5@35.575,-68.45 36.65,-68.45 v2(36.9,-68.7) 38.45,-70.25 C45.1@38.45,-70.3 C44.1@38.45,-73.2 C43.1@38.45,-76.1 ; v2(56.9,-67.8) L1.1@56.9,-66.125 ; v2(64.025,-42.067) 64.025,-42.025 C13.1@65.2,-40.85 ; C14.1@74.7,-40.55 75.9,-41.75 v2(75.9,-43.6) ; v2(74.9,-82.5) 75.3,-82.9 R10.1@76.95,-82.9 ; v2(82.9,-85.7) 86.8,-89.6 86.8,-91.2 92.6,-97 X10.1@98.7,-97 ; v2(87.1,-82.9) 92.2,-88 95.7,-88 96.45,-87.25 C27.1@96.45,-85.5 ; v2@89.9,-34.47 v2(89.9,-34.4) ; U3.23@100.4,-82 98.5,-82 98.2,-81.7 98.2,-80.9 ; U3.22@100.4,-80.9 98.2,-80.9 ; v2(102.95,-44.75) R5.1@104.9,-44.75 ; v2(104.9,-28.3) 105.1,-28.1 R11.1@105.1,-26.25 ; v2(105.1,-37.1) R9.1@105.1,-35.25 ; v2(108.8,-20.4) 110.4,-18.8 115.68,-18.8 116.1,-19.22 122,-19.22 123.27,-17.95 C33.1@124.5,-17.95 ; U3.9@112,-72.4 113.4,-72.4 113.8,-72.8 113.8,-73.2 ; U8.6@123.5,-14.48 124.5,-15.48 C33.1@124.5,-17.95 ; U9.6@133.7,-13.5 133.3,-13.9 C35.1@133.3,-17.95 ; C27.1@96.45,-85.5 114.5,-85.5 115.6,-84.4 115.6,-78.1 113.8,-76.3 113.8,-73.2 ; C27.1@96.45,-85.5 C28.1@96.45,-83.2 96.45,-81.75 97.3,-80.9 98.2,-80.9 ; 113.8,-73.2 113.85,-73.25 C26.1@115.3,-73.25 123.85,-73.25 135.1,-62 135.1,-18.2 134.85,-17.95 C35.1@133.3,-17.95 ; C33.1@124.5,-17.95 C34.1@127.5,-17.95 C36.1@130.4,-17.95 C35.1@133.3,-17.95
  Bottom Layer w0.25: v2(12.5,-54.2) 12.5,-54.1 13.8,-52.8 20.7,-52.8 25.3,-57.4 v2(25.4,-57.3) ; v2(41.6,-64.8) 41.6,-68.6 41.7,-68.7 ; v2@58.35,-62.75 v2(58.4,-62.8) ; v2(62.1,-51.5) 62.1,-56 62.9,-56.8 63.7,-56.8 ; 62.8,-60 v2(62.8,-58.1)
  Bottom Layer w0.4: v2(36.9,-68.7) 41.7,-68.7 56.2,-68.7 v2@57,-67.9 ; v2(56.9,-67.8) v2@57,-67.9 ; v2(64.025,-42.067) 64.025,-42.225 66.2,-44.4 72.5,-44.4 73.3,-43.6 v2(75.9,-43.6) 85.1,-34.4 v2(89.9,-34.4) 90,-34.3 104.9,-34.3 ; v2(74.9,-82.5) 74.9,-81.3 75.2,-81 v2(75.2,-68.1) 75.2,-64.3 73.8,-64.3 65.5,-56 64.1,-56 63.7,-56.4 63.7,-56.8 63.7,-59.9 63.8,-60 62.8,-60 61.1,-60 58.35,-62.75 57,-64.1 v2@57,-67.9 ; v2@75.2,-82.5 76.3,-82.5 76.7,-82.9 82.8,-82.9 ; v2(82.9,-85.7) 82.8,-85.6 82.8,-82.9 ; v2(87.1,-82.9) 82.8,-82.9 ; v2(102.95,-44.75) 102.95,-39.25 v2(105.1,-37.1) 104.9,-36.9 104.9,-34.3 ; v2(108.8,-20.4) 104.9,-24.3 v2(104.9,-28.3) 104.9,-34.3
4V2: C24.1 C25.1 C29.1 C30.1 C31.1 C32.1 C37.1 C41.1 C42.1 L3.2 R1.2 R28.2 R30.1 U5.37 U5.38 U11.1 U11.3 U15.1 | length 185.8
  Top Layer w0.3: 26,-69.65 26,-71.066 26.05,-71.116 26.05,-71.35 28.3,-73.6 36.1,-73.6 37.2,-74.7 37.2,-77.1 38.2,-78.1 40.8,-78.1 41.7,-77.2 41.7,-75.4 43.5,-73.6 44.85,-73.6 R1.2@44.9,-73.55 46.15,-73.55 47.2,-74.6 47.2,-75.6 49.5,-77.9 U15.1@51.8,-77.9
  Top Layer w0.5: R28.2@27.4,-69.75 28.45,-69.75 29.2,-70.5 32.475,-70.5 U11.3@32.625,-70.35 33.75,-70.35 34,-70.1 34,-68.9 33.55,-68.45 U11.1@32.625,-68.45
  Top Layer w0.8: C25.1@10.9,-5.95 10.9,-6.9 9.75,-8.05 C24.1@9.75,-9.5 11.45,-11.2 11.7,-11.2 ; C32.1@15.3,-10.2 12.7,-10.2 11.7,-11.2 ; C37.1@18.5,-78.5 L3.2@23.525,-78.5 ; U5.38@19.1,-19.5 15.3,-19.5 14.7,-20.1 C30.1@11.2,-20.1 ; U5.37@19.1,-18 16.6,-18 13,-14.4 C29.1@11.2,-14.4 ; R30.1@23.7,-87.55 23.7,-78.675 L3.2@23.525,-78.5 ; R28.2@27.4,-69.75 27.3,-69.65 26,-69.65 C42.1@24.7,-69.65 C41.1@21.9,-69.65 ; C30.1@11.2,-20.1 C29.1@11.2,-14.4 ; C30.1@11.2,-20.1 C31.1@11.2,-25.8 11.2,-28.3 10.5,-29 6,-29 3.9,-31.1 3.9,-45.1 5.1,-46.3 7.6,-46.3 9.4,-48.1 17.4,-48.1 21.7,-52.4 21.7,-62.7 18.8,-65.6 18.8,-68.6 19.85,-69.65 C41.1@21.9,-69.65 ; C29.1@11.2,-14.4 C29.1@11.3,-14.3 11.3,-11.6 11.7,-11.2 ; C41.1@21.9,-69.65 21.9,-71.4 23.525,-73.025 L3.2@23.525,-78.5
12V: C38.1 C53.1 R32.2 U10.8 X16.1 XS2.1 | length 66.3
  Top Layer w0.5: U10.8@30.005,-93.025 31.375,-93.025 32.3,-92.1 C53.1@33.25,-92.1 ; C38.1@32.9,-96.5 34.235,-96.5 34.825,-95.91 36.525,-95.91 37.58,-94.855 37.58,-94.02 39.2,-92.4 39.2,-91.5 40.56,-90.14 40.56,-88.905 41.565,-87.9 45.4,-87.9 46.5,-89 XS2.1@46.5,-90
  Top Layer w0.8: X16.1@5.1,-84.1 8.97,-87.97 R32.2@13.611,-87.97 ; R32.2@14.5,-87.75 14.5,-95.3 17.2,-98 30,-98 31.5,-96.5 C38.1@32.9,-96.5 33.25,-96.15 C53.1@33.25,-92.1
CPU_BOOT0: R4.2 U1.94 X1.2 X1.4 | length 54.2
  Top Layer w0.25: v2(64.7,-63.9) 64.7,-83.4 66.05,-84.75 R4.2@66.05,-86.7 66.05,-89.53 X1.2@66.52,-90 X1.4@66.52,-97.62 ; v2(64.7,-57.5) 64.8,-57.5 U1.94@64.8,-44.275
  Bottom Layer w0.25: v2(64.7,-63.9) v2(64.7,-57.5)
CPU_BOOT1: R17.2 U1.37 | length 6.1
  Top Layer w0.25: U1.37@67.3,-59.925 67.3,-61.65 R17.2@70.4,-64.75
CPU_JTCK/SWCLK: U1.76 X10.2 | length 71.9
  Top Layer w0.25: v2(70.6,-47.6) 71.7,-46.5 72.193,-46.5 73.343,-45.35 73.476,-45.35 73.725,-45.101 73.725,-44.275 U1.76@73.8,-44.275 ; v2(79.7,-70.3) 79.7,-80.1 93.9,-94.3 99.7,-94.3 101.24,-95.84 X10.2@101.24,-97
  Bottom Layer w0.25: v2(70.6,-47.6) 69.1,-49.1 69.1,-56.6 76.7,-64.2 76.7,-66.4 79.8,-69.5 79.8,-70.2 v2(79.7,-70.3)
CPU_JTDI: U1.77
CPU_JTDO: U1.89 X10.6 | length 77.8
  Top Layer w0.25: U1.89@67.3,-44.275 67.3,-45.8 73.5,-52 v2(73.5,-54.1) ; v2(84.4,-73) 84.4,-81.7 94.8,-92.1 106.5,-92.1 X10.6@111.4,-97
  Bottom Layer w0.25: v2(73.5,-54.1) 84.4,-65 v2(84.4,-73)
CPU_JTMS/SWDAT: U1.72 X10.4 | length 74.1
  Top Layer w0.25: v2(73.1,-48.6) 73.813,-48.6 74.813,-47.6 U1.72@75.625,-47.6 ; v2(80.7,-67.3) 80.7,-79.3 94.2,-92.8 103.8,-92.8 106.32,-95.32 X10.4@106.32,-97
  Bottom Layer w0.25: v2(73.1,-48.6) 71.9,-48.6 69.9,-50.6 69.9,-56.5 v2(80.7,-67.3)
CPU_NJRST: U1.90
CPU_NRST: C1.1 R10.2 U1.14 X2.2 X2.4 X10.5 | length 91.1
  Top Layer w0.25: U1.14@59.975,-52.6 63.2,-52.6 v2(63.7,-53.1) ; v2(67.7,-53.1) 71.6,-57 71.6,-57.5 72.7,-58.6 73.8,-58.6 78.1,-62.9 78.1,-81.95 R10.2@79.05,-82.9 78.95,-83 C1.1@78.95,-85.5 78.72,-85.73 X2.2@78.72,-90 X2.4@78.72,-97.62 80.64,-95.7 87.9,-95.7 90.7,-98.5 108.2,-98.5 108.86,-97.84 X10.5@108.86,-97
  Bottom Layer w0.25: v2(63.7,-53.1) v2(67.7,-53.1)
DEBUG_RX: R33.2 U1.48 | length 74.3
  Top Layer w0.25: v2(32.7,-65.4) 35,-65.4 37.7,-68.1 41.1,-68.1 44.8,-71.8 v2(63.5,-71.8) ; v2(65.9,-71.8) 70.8,-71.8 72.5,-70.1 72.5,-62.9 72.8,-62.6 U1.48@72.8,-59.925
  Bottom Layer w0.25: R33.2@17.17,-58.189 18.2,-59.219 18.2,-60.112 18.345,-60.257 18.345,-61.376 18.175,-61.546 18.175,-62.875 19.6,-64.3 31.6,-64.3 v2(32.7,-65.4) ; v2(63.5,-71.8) v2(65.9,-71.8)
DEBUG_TX: R34.2 U1.47 | length 75.9
  Top Layer w0.25: R34.2@16.95,-54.6 18.3,-54.6 19.1,-55.4 v2(19.1,-62.1) ; v2(24,-63.3) 25,-64.3 34.8,-64.3 37.9,-67.4 41.4,-67.4 44.7,-70.7 v2(61.3,-70.7) ; v2(66.7,-70.6) 71,-70.6 72,-69.6 72,-62 72.3,-61.7 U1.47@72.3,-59.925
  Bottom Layer w0.25: v2(19.1,-62.1) 20.3,-63.3 v2(24,-63.3) ; v2(61.3,-70.7) 61.4,-70.6 v2(66.7,-70.6)